# KiCad board Logic_tabor.kicad_pcb (continued)
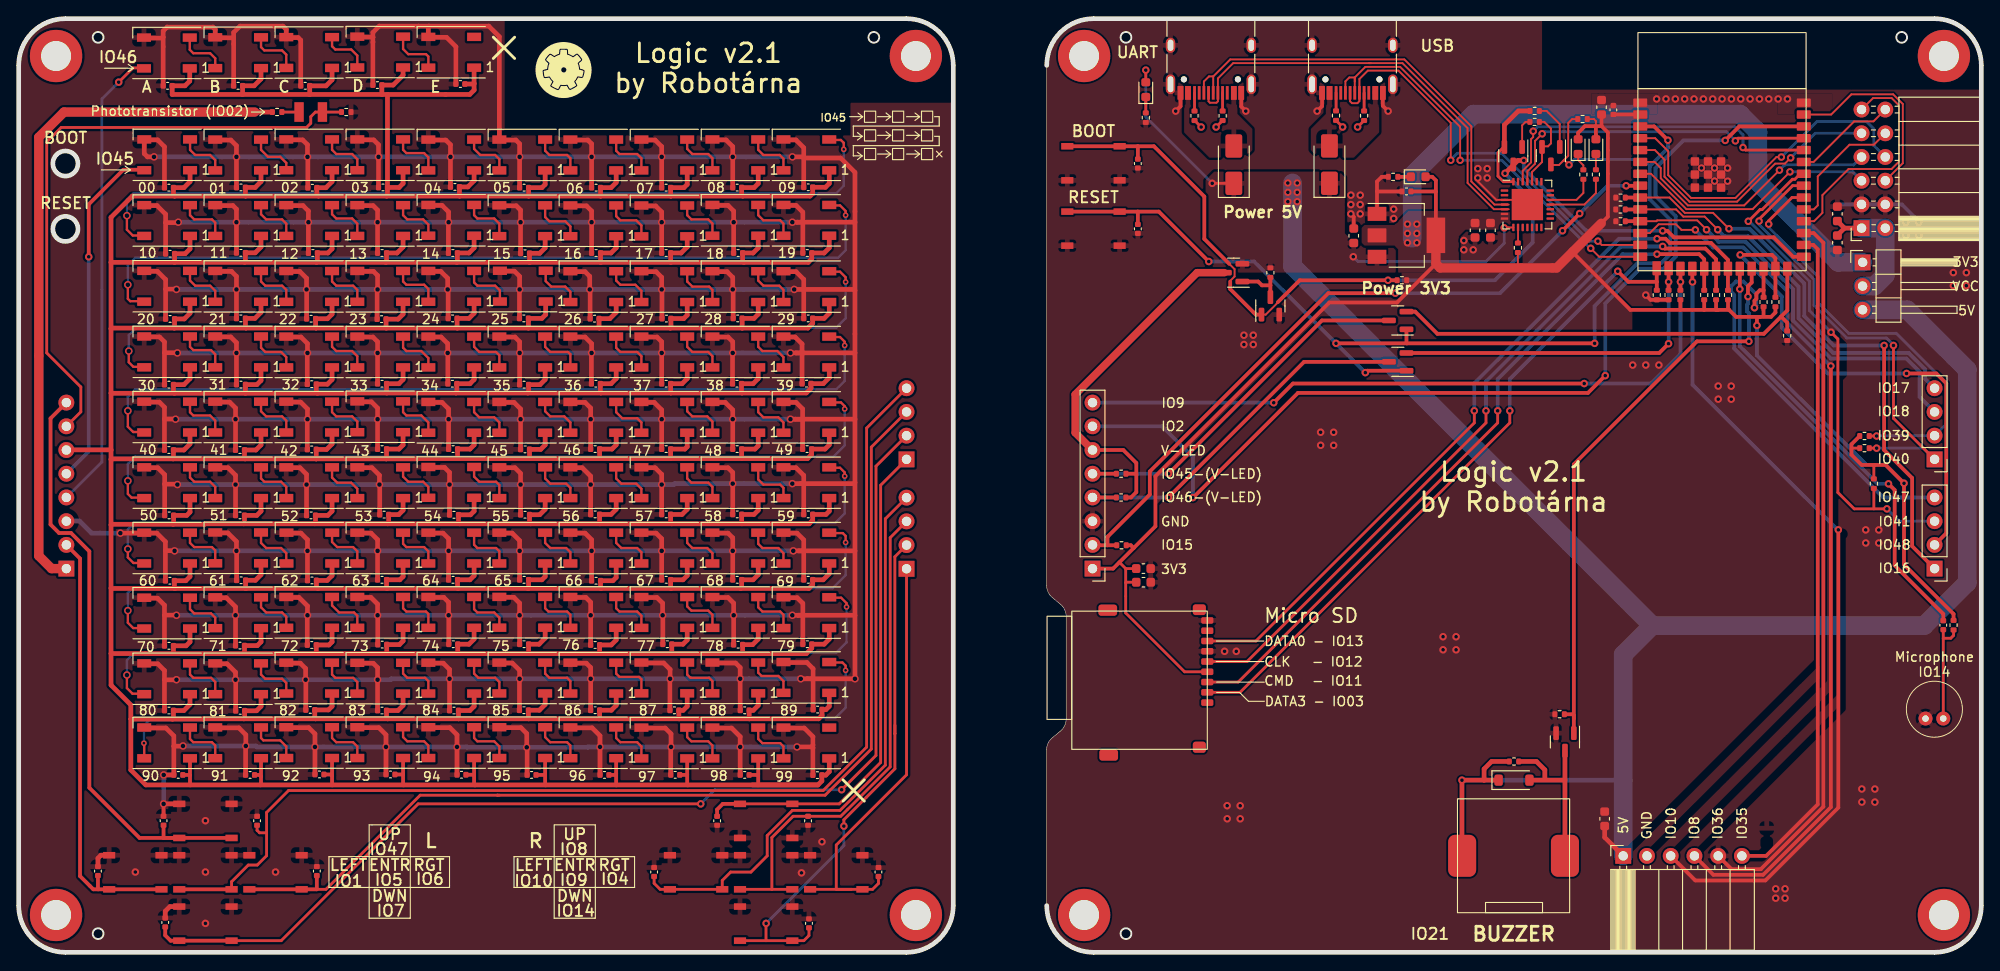
[diagram p0: board, top side]
## Library data of the parts (continued)
Q4 Q6-Q8 = -: Description: N-MOSFET transistor, gate/source/drain; JLCPCB_CORRECTION: 0;0;180; LCSC: C8545
Q5 = -: Description: P-MOSFET transistor, gate/source/drain; JLCPCB_CORRECTION: 0;0;180; LCSC: C15127
R1-R4 R6-R14 R18 R22-R36 = -: Description: Resistor; JLCPCB_CORRECTION: 0;0;0; LCSC: C25744
R5 = -: Description: Resistor; JLCPCB_CORRECTION: 0;0;0; LCSC: C25768
R15 R19 = -: Description: Resistor; JLCPCB_CORRECTION: 0;0;0; LCSC: C25741
R16 R17 R20 R21 = -: Description: Resistor; JLCPCB_CORRECTION: 0;0;0; LCSC: C25905
R37 = -: Description: Resistor; JLCPCB_CORRECTION: 0;0;0; LCSC: C25879
U1 = -: Description: 1A Low Dropout regulator, positive, 3.3V fixed output, SOT-223; JLCPCB_CORRECTION: 0;0;180; LCSC: C6186
U2 = -: JLCPCB_CORRECTION: 0;0;270; LCSC: C6568
U3 = -: JLCPCB_CORRECTION: 0;9;0; LCSC: C2913199

## Footprints (pads in the part's own frame, mm; a bottom-side part is the same pattern mirrored in y, then rotated)
C_0402_1005Metric
  rrect 0.56x0.62 smd: 1(-0.48,0) 2(0.48,0)
C_0603_1608Metric
  rrect 0.9x0.95 smd: 1(-0.775,0) 2(0.775,0)
D_SMA
  rrect 2.5x1.8 smd: 1(-2,0) 2(2,0)
D_SOD-123
  rrect 0.9x1.2 smd: 1(-1.65,0) 2(1.65,0)
ESP32-S3-WROOM
  rrect 1.5x0.9 smd: 1(-8.75,0) 2(-8.75,-1.27) 3(-8.75,-2.54) 4(-8.75,-3.81) 5(-8.75,-5.08) 6(-8.75,-6.35) 7(-8.75,-7.62) 8(-8.75,-8.89) 9(-8.75,-10.16) 10(-8.75,-11.43) 11(-8.75,-12.7) 12(-8.75,-13.97) 13(-8.75,-15.24) 14(-8.75,-16.51) 27(8.75,-16.51) 28(8.75,-15.24) 29(8.75,-13.97) 30(8.75,-12.7) 31(8.75,-11.43) 32(8.75,-10.16) 33(8.75,-8.89) 34(8.75,-7.62) 35(8.75,-6.35) 36(8.75,-5.08) 37(8.75,-3.81) 38(8.75,-2.54) 39(8.75,-1.27) 40(8.75,0)
  rrect 0.9x1.5 smd: 15(-6.985,-17.74) 16(-5.715,-17.74) 17(-4.445,-17.78) 18(-3.175,-17.78) 19(-1.905,-17.78) 20(-0.635,-17.78) 21(0.635,-17.78) 22(1.905,-17.78) 23(3.175,-17.78) 24(4.445,-17.78) 25(5.715,-17.78) 26(6.985,-17.78)
  rrect 0.9x0.9 smd: 41(-2.9,-6.3) 41(-2.9,-7.7) 41(-2.9,-9.1) 41(-1.5,-6.3) 41(-1.5,-7.7) 41(-1.5,-9.1) 41(-0.1,-6.3) 41(-0.1,-7.7) 41(-0.1,-9.1)
LED_0603_1608Metric
  rrect 0.875x0.95 smd: 1(-0.787,0) 2(0.787,0)
LED_WS2812B_PLCC4_5.0x5.0mm_P3.2mm
  rect 1.5x0.9 smd: 1(-2.45,1.65) 2(-2.45,-1.65) 3(2.45,-1.65) 4(2.45,1.65)
MIC-TH
  round 1.5 hole 0.7: 1(0.95,1) 2(-0.95,1)
MountingHole_3.2mm_M3_DIN965_Pad
  round 5.6 hole 3.2: 1(0,0)
PinHeader_1x03_P2.54mm_Horizontal
  rect 1.7x1.7 hole 1: 1(0,0)
  oval 1.7x1.7 hole 1: 2(0,-2.54) 3(0,-5.08)
PinHeader_1x04_P2.54mm_Vertical
  rect 1.7x1.7 hole 1: 1(0,0)
  oval 1.7x1.7 hole 1: 2(0,-2.54) 3(0,-5.08) 4(0,-7.62)
PinHeader_1x08_P2.54mm_Vertical
  rect 1.7x1.7 hole 1: 1(0,0)
  oval 1.7x1.7 hole 1: 2(0,-2.54) 3(0,-5.08) 4(0,-7.62) 5(0,-10.16) 6(0,-12.7) 7(0,-15.24) 8(0,-17.78)
PinSocket_1x04_P2.54mm_Vertical
  rect 1.7x1.7 hole 1: 1(0,0)
  oval 1.7x1.7 hole 1: 2(0,-2.54) 3(0,-5.08) 4(0,-7.62)
PinSocket_1x06_P2.54mm_Horizontal
  rect 1.7x1.7 hole 1: 1(0,0)
  oval 1.7x1.7 hole 1: 2(0,-2.54) 3(0,-5.08) 4(0,-7.62) 5(0,-10.16) 6(0,-12.7)
PinSocket_1x08_P2.54mm_Vertical
  rect 1.7x1.7 hole 1: 1(0,0)
  oval 1.7x1.7 hole 1: 2(0,-2.54) 3(0,-5.08) 4(0,-7.62) 5(0,-10.16) 6(0,-12.7) 7(0,-15.24) 8(0,-17.78)
PinSocket_2x06_P2.54mm_Horizontal
  rect 1.7x1.7 hole 1: 1(0,0)
  oval 1.7x1.7 hole 1: 2(-2.54,0) 3(0,-2.54) 4(-2.54,-2.54) 5(0,-5.08) 6(-2.54,-5.08) 7(0,-7.62) 8(-2.54,-7.62) 9(0,-10.16) 10(-2.54,-10.16) 11(0,-12.7) 12(-2.54,-12.7)
PKLCS1212E-(RH-Logic_piezzo)
  rrect 3x4.5 smd: 1(-5.5,0) 2(5.5,0)
QFN-28-1EP_5x5mm_P0.5mm_EP3.35x3.35mm
  rrect 0.9x0.9 smd: (-1.12,1.12) (-1.12,0) (-1.12,-1.12) (0,1.12) (0,0) (0,-1.12) (1.12,1.12) (1.12,0) (1.12,-1.12)
  rrect 0.8x0.25 smd: 1(-2.45,1.5) 2(-2.45,1) 3(-2.45,0.5) 4(-2.45,0) 5(-2.45,-0.5) 6(-2.45,-1) 7(-2.45,-1.5) 15(2.45,-1.5) 16(2.45,-1) 17(2.45,-0.5) 18(2.45,0) 19(2.45,0.5) 20(2.45,1) 21(2.45,1.5)
  rrect 0.25x0.8 smd: 8(-1.5,-2.45) 9(-1,-2.45) 10(-0.5,-2.45) 11(0,-2.45) 12(0.5,-2.45) 13(1,-2.45) 14(1.5,-2.45) 22(1.5,2.45) 23(1,2.45) 24(0.5,2.45) 25(0,2.45) 26(-0.5,2.45) 27(-1,2.45) 28(-1.5,2.45)
  rect 3.35x3.35 smd: 29(0,0)
R_0402_1005Metric
  rrect 0.54x0.64 smd: 1(-0.51,0) 2(0.51,0)
SMD,3.5x2.8x1.9mm
  rect 1x2.1 smd: 1(-1.25,0) 2(1.25,0)
SOT-23
  rrect 1.475x0.6 smd: 1(-0.938,0.95) 2(-0.938,-0.95) 3(0.938,0)
SOT-223-3_TabPin2
  rect 2x1.5 smd: 1(-3.15,2.3) 2(-3.15,0) 3(-3.15,-2.3)
  rect 2x3.8 smd: 2(3.15,0)
Tactile_switch
  rect 1.3x0.7 smd: 1(-2.8,1.85) 1(2.8,1.85) 2(-2.8,-1.8) 2(2.8,-1.8)
TF-01A
  rrect 0.7x1.3 smd: 1(2.4,7.25) 2(1.3,7.25) 3(0.2,7.25) 4(-0.9,7.25) 5(-2,7.25) 6(-3.1,7.25) 7(-4.2,7.25) 8(-5.3,7.25) 9(-6.4,7.25)
  rrect 1.15x1.4 smd: 10(-7.55,6.4)
  rrect 1.2x2 smd: 10(-7.5,-3.4) 10(8.02,-3.3)
  rrect 1.2x1.4 smd: 10(7.18,6.4)
USB_C_Receptacle_HRO_TYPE-C-31-M-12
  round 0.65 hole 0.65 unplated: (-2.89,2.6) (2.89,2.6)
  rect 0.6x1.45 smd: A1(-3.25,4.045) A4(-2.45,4.045) A9(2.45,4.045) A12(3.25,4.045) B1(3.25,4.045) B4(2.45,4.045) B9(-2.45,4.045) B12(-3.25,4.045)
  rect 0.3x1.45 smd: A5(-1.25,4.045) A6(-0.25,4.045) A7(0.25,4.045) A8(1.25,4.045) B5(1.75,4.045) B6(0.75,4.045) B7(-0.75,4.045) B8(-1.75,4.045)
  oval 1x2.1 hole 0.6x1.7: S1(-4.32,3.13) S1(4.32,3.13)
  oval 1x1.6 hole 0.6x1.2: S1(-4.32,-1.05) S1(4.32,-1.05)

## Nets
/elektronika.sch/3V3: C22.1 C23.1 C24.2 C25.2 C27.2 C28.2 C128.1 D2.2 D9.2 D10.2 J2.4 J7.1 J13.1 R1.1 R4.1 R6.1 R7.1 R8.1 R9.1 R10.1 R12.1 R14.1 R22.1 R28.1 R31.1 R32.1 R34.1 R35.1 R36.1 R37.2 U1.2 U2.6 U2.7 U3.2
/elektronika.sch/5V: BZ1.1 C4.1 C127.1 D1.2 D7.1 D8.1 D114.1 J3.1 J13.3 Q5.2 R15.1 R33.2 U1.3 U2.8
/elektronika.sch/GND: BOOT1.2 C1.2 C4.2 C5.2 C22.2 C23.2 C24.1 C25.1 C26.2 C27.1 C28.1 C29.2 C127.2 C128.2 J1.3 J1.4 J2.6 J2.9 J3.2 J7.3 J8.A1 J8.A12 J8.B1 J8.B12 J8.S1 J11.A1 J11.A12 J11.B1 J11.B12 J11.S1 MK1.1 Q4.2 Q6.2 R2.1 R3.1 R16.1 R17.1 R19.1 R20.1 R21.1 R27.2 R29.2 R30.2 RESET1.2 U1.1 U2.3 U2.29 U3.1 U3.40 U3.41
/ovladaci_prvky.sch/3V3: J4.1 R5.1
/ovladaci_prvky.sch/GND: C2.2 C3.2 C6.2 C7.2 C8.2 C9.2 C10.2 C11.1 C12.1 C13.1 C14.1 C15.2 C16.2 C17.1 C18.1 C19.1 C20.1 C21.2 C30.1 C31.2 C32.2 C33.2 C34.2 C35.2 C36.2 C37.2 C38.2 C39.2 C40.2 C41.2 C42.2 C43.2 C44.2 C45.2 C46.2 C47.2 C48.2 C49.2 C50.2 C51.2 C52.2 C53.2 C54.2 C55.2 C56.2 C57.2 C58.2 C59.2 C60.2 C61.2 C62.2 C63.2 C64.2 C65.2 C66.2 C67.2 C68.2 C69.2 C70.2 C71.2 C72.2 C73.2 C74.2 C75.2 C76.2 C77.2 C78.2 C79.2 C80.2 C81.2 C82.2 C83.2 C84.2 C85.2 C86.2 C87.2 C88.2 C89.2 C90.2 C91.2 C92.2 C93.2 C94.2 C95.2 C96.2 C97.2 C98.2 C99.2 C100.2 C101.2 C102.2 C103.2 C104.2 C105.2 C106.2 C107.2 C108.2 C109.2 C110.2 C111.2 C112.2 C113.2 C114.2 C115.2 C116.2 C117.2 C118.2 C119.2 C120.2 C121.2 C122.2 C123.2 C124.2 C125.2 C126.1 D3.3 D4.3 D5.3 D6.3 D12.3 D13.3 D14.3 D15.3 D16.3 D17.3 D18.3 D19.3 D20.3 D21.3 D22.3 D23.3 D24.3 D25.3 D26.3 D27.3 D28.3 D29.3 D30.3 D31.3 D32.3 D33.3 D34.3 D35.3 D36.3 D37.3 D38.3 D39.3 D40.3 D41.3 D42.3 D43.3 D44.3 D45.3 D46.3 D47.3 D48.3 D49.3 D50.3 D51.3 D52.3 D53.3 D54.3 D55.3 D56.3 D57.3 D58.3 D59.3 D60.3 D61.3 D62.3 D63.3 D64.3 D65.3 D66.3 D67.3 D68.3 D69.3 D70.3 D71.3 D72.3 D73.3 D74.3 D75.3 D76.3 D77.3 D78.3 D79.3 D80.3 D81.3 D82.3 D83.3 D84.3 D85.3 D86.3 D87.3 D88.3 D89.3 D90.3 D91.3 D93.3 D94.3 D95.3 D96.3 D97.3 D98.3 D99.3 D100.3 D101.3 D102.3 D103.3 D104.3 D105.3 D106.3 D107.3 D108.3 D109.3 D110.3 D111.3 D112.3 D113.3 J4.3 R13.2 SW2.2 SW3.2 SW4.2 SW5.2 SW7.2 SW8.2 SW9.2 SW10.2 SW11.2 SW12.2
/elektronika.sch/DATA_HERNI_LED: J7.5 Q8.3 R18.2
/elektronika.sch/DATA_HERNI_LED_LS: Q8.2 R29.1 U3.26
/elektronika.sch/DATA_ZADANI_LED: J7.4 Q7.3 R11.2
/elektronika.sch/DATA_ZADANI_LED_LS: Q7.2 R27.1 U3.16
/elektronika.sch/EN: C26.1 Q2.3 Q7.1 Q8.1 R31.2 RESET1.1 U3.3
/elektronika.sch/ESP+programing/D+: J8.A6 J8.B6 U3.14
/elektronika.sch/ESP+programing/D+_UART: J11.A6 J11.B6 U2.4
/elektronika.sch/ESP+programing/D-: J8.A7 J8.B7 U3.13
/elektronika.sch/ESP+programing/D-_UART: J11.A7 J11.B7 U2.5
/elektronika.sch/ESP+programing/IO03-PD: J2.2 R30.1 U3.15
/elektronika.sch/ESP+programing/IO11: J2.3 R36.2 U3.19
/elektronika.sch/ESP+programing/IO12: J2.5 R35.2 U3.20
/elektronika.sch/ESP+programing/IO13: J2.7 R34.2 U3.21
/elektronika.sch/ESP+programing/IO14: C129.1 U3.22
/elektronika.sch/ESP+programing/RX_ESP: U2.26 U3.36
/elektronika.sch/ESP+programing/TX_ESP: U2.25 U3.37
/elektronika.sch/IO1: J1.6 U3.39
/elektronika.sch/IO4: J1.8 U3.4
/elektronika.sch/IO5: J1.9 U3.5
/elektronika.sch/IO6: J1.7 U3.6
/elektronika.sch/IO7: J1.5 U3.7
/elektronika.sch/IO8: J3.4 U3.12
/elektronika.sch/IO10: J3.3 U3.18
/elektronika.sch/IO35: J3.6 U3.28
/elektronika.sch/IO36: J3.5 U3.29
/elektronika.sch/IO37: J1.11 U3.30
/elektronika.sch/IO38: J1.10 U3.31
/elektronika.sch/IO42: J1.12 U3.35
/elektronika.sch/PIEZO: Q6.1 R19.2 U3.23
/elektronika.sch/PMOD-POWER: C1.1 C5.1 J1.1 J1.2 J13.2
/elektronika.sch/SENZOR_SVETLA: J7.7 U3.38
/elektronika.sch/SW_2: J10.4 R6.2 U3.10
/elektronika.sch/SW_3: J10.3 R7.2 U3.11
/elektronika.sch/SW_4: J9.4 R32.2 U3.24
/elektronika.sch/SW_5: J9.1 R4.2 U3.9
/elektronika.sch/SW_7: J7.2 R1.2 U3.8
/elektronika.sch/SW_8: J10.2 R8.2 U3.32
/elektronika.sch/SW_9: J9.2 R14.2 U3.25
/elektronika.sch/SW_10: J9.3 R12.2 U3.34
/elektronika.sch/SW_11: J10.1 R9.2 U3.33
/elektronika.sch/SW_12: J7.8 R10.2 U3.17
/elektronika.sch/V_LED: J7.6 Q5.3 R11.1 R18.1
/elektronika.sch/ZAPINANI_1_CAST_LED: BOOT1.1 C29.1 Q1.3 Q4.1 R28.2 U3.27
/ovladaci_prvky.sch/DATA_HERNI_LED: D12.4 J4.5
/ovladaci_prvky.sch/DATA_ZADANI_LED: D3.4 J4.4
/ovladaci_prvky.sch/herni_pole_LED.sch/1.sch/DATA_OUT: D16.2 D17.4
/ovladaci_prvky.sch/herni_pole_LED.sch/2.sch/DATA_OUT: D21.2 D22.4
/ovladaci_prvky.sch/herni_pole_LED.sch/3.sch/DATA_OUT: D26.2 D27.4
/ovladaci_prvky.sch/herni_pole_LED.sch/4.sch/DATA_OUT: D31.2 D32.4
/ovladaci_prvky.sch/herni_pole_LED.sch/5.sch/DATA_OUT: D36.2 D37.4
/ovladaci_prvky.sch/herni_pole_LED.sch/6.sch/DATA_OUT: D41.2 D42.4
/ovladaci_prvky.sch/herni_pole_LED.sch/7.sch/DATA_OUT: D46.2 D47.4
/ovladaci_prvky.sch/herni_pole_LED.sch/8.sch/DATA_OUT: D51.2 D52.4
/ovladaci_prvky.sch/herni_pole_LED.sch/10.sch/DATA_IN: D56.2 D57.4
/ovladaci_prvky.sch/herni_pole_LED.sch/10.sch/DATA_OUT: D61.2 D62.4
/ovladaci_prvky.sch/herni_pole_LED.sch/11.sch/DATA_OUT: D66.2 D67.4
/ovladaci_prvky.sch/herni_pole_LED.sch/12.sch/DATA_OUT: D71.2 D72.4
/ovladaci_prvky.sch/herni_pole_LED.sch/13.sch/DATA_OUT: D76.2 D77.4
/ovladaci_prvky.sch/herni_pole_LED.sch/14.sch/DATA_OUT: D81.2 D82.4
/ovladaci_prvky.sch/herni_pole_LED.sch/15.sch/DATA_OUT: D86.2 D87.4
/ovladaci_prvky.sch/herni_pole_LED.sch/16.sch/DATA_OUT: D91.2 D93.4
/ovladaci_prvky.sch/herni_pole_LED.sch/17.sch/DATA_OUT: D97.2 D98.4
/ovladaci_prvky.sch/herni_pole_LED.sch/18.sch/DATA_OUT: D102.2 D103.4
/ovladaci_prvky.sch/herni_pole_LED.sch/19.sch/DATA_OUT: D107.2 D108.4
/ovladaci_prvky.sch/herni_pole_LED.sch/20.sch/DATA_OUT: D112.2
/ovladaci_prvky.sch/SENZOR_SVETLA: J4.7 Q3.2 R13.1
/ovladaci_prvky.sch/SW_2: C11.2 J6.4 SW2.1
/ovladaci_prvky.sch/SW_3: C12.2 J6.3 SW3.1
/ovladaci_prvky.sch/SW_4: C13.2 J5.4 SW4.1
/ovladaci_prvky.sch/SW_5: C14.2 J5.1 SW5.1
/ovladaci_prvky.sch/SW_7: C126.2 J4.2 SW7.1
/ovladaci_prvky.sch/SW_8: C17.2 J6.2 SW8.1
/ovladaci_prvky.sch/SW_9: C18.2 J5.2 SW9.1
/ovladaci_prvky.sch/SW_10: C19.2 J5.3 SW10.1
/ovladaci_prvky.sch/SW_11: C20.2 J6.1 SW11.1
/ovladaci_prvky.sch/SW_12: C30.2 J4.8 SW12.1
/ovladaci_prvky.sch/V_LED_1: C2.1 C3.1 C6.1 C7.1 C8.1 C9.1 C10.1 C15.1 C16.1 C21.1 C31.1 C32.1 C33.1 C34.1 C35.1 C36.1 C37.1 C38.1 C39.1 C40.1 C41.1 C42.1 C43.1 C44.1 C45.1 C46.1 C47.1 C48.1 C49.1 C50.1 C51.1 C52.1 C53.1 C54.1 C55.1 C56.1 C57.1 C58.1 C59.1 C60.1 C61.1 C62.1 C63.1 C64.1 C65.1 C66.1 C67.1 C68.1 C69.1 C70.1 C71.1 C72.1 C73.1 C74.1 C75.1 C76.1 C77.1 C78.1 C79.1 C80.1 C81.1 C82.1 C83.1 C84.1 C85.1 C86.1 C87.1 C88.1 C89.1 C90.1 C91.1 C92.1 C93.1 C94.1 C95.1 C96.1 C97.1 C98.1 C99.1 C100.1 C101.1 C102.1 C103.1 C104.1 C105.1 C106.1 C107.1 C108.1 C109.1 C110.1 C111.1 C112.1 C113.1 C114.1 C115.1 C116.1 C117.1 C118.1 C119.1 C120.1 C121.1 C122.1 C123.1 C124.1 C125.1 D3.1 D4.1 D5.1 D6.1 D12.1 D13.1 D14.1 D15.1 D16.1 D17.1 D18.1 D19.1 D20.1 D21.1 D22.1 D23.1 D24.1 D25.1 D26.1 D27.1 D28.1 D29.1 D30.1 D31.1 D32.1 D33.1 D34.1 D35.1 D36.1 D37.1 D38.1 D39.1 D40.1 D41.1 D42.1 D43.1 D44.1 D45.1 D46.1 D47.1 D48.1 D49.1 D50.1 D51.1 D52.1 D53.1 D54.1 D55.1 D56.1 D57.1 D58.1 D59.1 D60.1 D61.1 D62.1 D63.1 D64.1 D65.1 D66.1 D67.1 D68.1 D69.1 D70.1 D71.1 D72.1 D73.1 D74.1 D75.1 D76.1 D77.1 D78.1 D79.1 D80.1 D81.1 D82.1 D83.1 D84.1 D85.1 D86.1 D87.1 D88.1 D89.1 D90.1 D91.1 D93.1 D94.1 D95.1 D96.1 D97.1 D98.1 D99.1 D100.1 D101.1 D102.1 D103.1 D104.1 D105.1 D106.1 D107.1 D108.1 D109.1 D110.1 D111.1 D112.1 D113.1 J4.6
Net-(BZ1-+): BZ1.2 D114.2 Q6.3 R33.1
Net-(D1-K): D1.1 R2.2
Net-(D2-K): D2.1 R3.2
Net-(D3-DOUT): D3.2 D4.4
Net-(D4-DOUT): D4.2 D5.4
Net-(D5-DOUT): D5.2 D6.4
Net-(D7-A): D7.2 J8.A4 J8.A9 J8.B4 J8.B9
Net-(D8-A): D8.2 J11.A4 J11.A9 J11.B4 J11.B9
Net-(D9-K): D9.1 R24.1
Net-(D10-K): D10.1 R23.1
Net-(D12-DOUT): D12.2 D13.4
Net-(D13-DOUT): D13.2 D14.4
Net-(D14-DOUT): D14.2 D15.4
Net-(D15-DOUT): D15.2 D16.4
Net-(D17-DOUT): D17.2 D18.4
Net-(D18-DOUT): D18.2 D19.4
Net-(D19-DOUT): D19.2 D20.4
Net-(D20-DOUT): D20.2 D21.4
Net-(D22-DOUT): D22.2 D23.4
Net-(D23-DOUT): D23.2 D24.4
Net-(D24-DOUT): D24.2 D25.4
Net-(D25-DOUT): D25.2 D26.4
Net-(D27-DOUT): D27.2 D28.4
Net-(D28-DOUT): D28.2 D29.4
Net-(D29-DOUT): D29.2 D30.4
Net-(D30-DOUT): D30.2 D31.4
Net-(D32-DOUT): D32.2 D33.4
Net-(D33-DOUT): D33.2 D34.4
Net-(D34-DOUT): D34.2 D35.4
Net-(D35-DOUT): D35.2 D36.4
Net-(D37-DOUT): D37.2 D38.4
Net-(D38-DOUT): D38.2 D39.4
Net-(D39-DOUT): D39.2 D40.4
Net-(D40-DOUT): D40.2 D41.4
Net-(D42-DOUT): D42.2 D43.4
Net-(D43-DOUT): D43.2 D44.4
Net-(D44-DOUT): D44.2 D45.4
Net-(D45-DOUT): D45.2 D46.4
Net-(D47-DOUT): D47.2 D48.4
Net-(D48-DOUT): D48.2 D49.4
Net-(D49-DOUT): D49.2 D50.4
Net-(D50-DOUT): D50.2 D51.4
Net-(D52-DOUT): D52.2 D53.4
Net-(D53-DOUT): D53.2 D54.4
Net-(D54-DOUT): D54.2 D55.4
Net-(D55-DOUT): D55.2 D56.4
Net-(D57-DOUT): D57.2 D58.4
Net-(D58-DOUT): D58.2 D59.4
Net-(D59-DOUT): D59.2 D60.4
Net-(D60-DOUT): D60.2 D61.4
Net-(D62-DOUT): D62.2 D63.4
Net-(D63-DOUT): D63.2 D64.4
Net-(D64-DOUT): D64.2 D65.4
Net-(D65-DOUT): D65.2 D66.4
Net-(D67-DOUT): D67.2 D68.4
Net-(D68-DOUT): D68.2 D69.4
Net-(D69-DOUT): D69.2 D70.4
Net-(D70-DOUT): D70.2 D71.4
Net-(D72-DOUT): D72.2 D73.4
Net-(D73-DOUT): D73.2 D74.4
Net-(D74-DOUT): D74.2 D75.4
Net-(D75-DOUT): D75.2 D76.4
Net-(D77-DOUT): D77.2 D78.4
Net-(D78-DOUT): D78.2 D79.4
Net-(D79-DOUT): D79.2 D80.4
Net-(D80-DOUT): D80.2 D81.4
Net-(D82-DOUT): D82.2 D83.4
Net-(D83-DOUT): D83.2 D84.4
Net-(D84-DOUT): D84.2 D85.4
Net-(D85-DOUT): D85.2 D86.4
Net-(D87-DOUT): D87.2 D88.4
Net-(D88-DOUT): D88.2 D89.4
Net-(D89-DOUT): D89.2 D90.4
Net-(D90-DOUT): D90.2 D91.4
Net-(D93-DOUT): D93.2 D94.4
Net-(D94-DOUT): D94.2 D95.4
Net-(D95-DOUT): D95.2 D96.4
Net-(D96-DOUT): D96.2 D97.4
Net-(D98-DOUT): D98.2 D99.4
Net-(D100-DIN): D99.2 D100.4
Net-(D100-DOUT): D100.2 D101.4
Net-(D101-DOUT): D101.2 D102.4
Net-(D103-DOUT): D103.2 D104.4
Net-(D104-DOUT): D104.2 D105.4
Net-(D105-DOUT): D105.2 D106.4
Net-(D106-DOUT): D106.2 D107.4
Net-(D108-DOUT): D108.2 D109.4
Net-(D109-DOUT): D109.2 D110.4
Net-(D110-DOUT): D110.2 D111.4
Net-(D111-DOUT): D111.2 D112.4
Net-(D113-DIN): D6.2 D113.4
Net-(J8-CC1): J8.A5 R16.2
Net-(J8-CC2): J8.B5 R17.2
Net-(J11-CC1): J11.A5 R20.2
Net-(J11-CC2): J11.B5 R21.2
Net-(MK1-+): C129.2 MK1.2 R37.1
Net-(Q1-B): Q1.1 R25.1
Net-(Q1-E): Q1.2 R26.2 U2.28
Net-(Q2-B): Q2.1 R26.1
Net-(Q2-E): Q2.2 R25.2 U2.24
Net-(Q3-C): Q3.1 R5.2
Net-(Q4-D): Q4.3 Q5.1 R15.2
Net-(U2-~{RSTb}): R22.2 U2.9
Net-(U2-~{RXT}/GPIO.1): R24.2 U2.18
Net-(U2-~{TXT}/GPIO.0): R23.2 U2.19

Pads without a net: D113 2; H1 1; H2 1; H3 1; H4 1; H5 1; H6 1; H7 1; H8 1; J2 1 8 10; J8 A8 B8; J11 A8 B8; U2 1 2 10 11 12 13 14 15 16 17 20 21 22 23 27

## Via types
v1: diameter 0.8, hole 0.5, Top to Bottom, 112 vias
v2: diameter 0.6, hole 0.3, Top to Bottom, 10 vias
v3: diameter 0.8, hole 0.4, Top to Bottom, 188 vias

## Routing (per net, layer and track width the routed paths; a pad name or vN(x,y) marks a point on that pad's centre or on a via; arc(x,y) is an arc through that point)
/elektronika.sch/3V3: length 282.6
  Top w0.2: 168.76,88.46 168.76,89.04 168.55,89.25 R31.1 ; 160.87,73.4 160.76,73.3 ; R22.1 160.41,73.4
  Top w0.3: 118.45,39.6 118.45,41.1 ; 118.45,39.6 118.49,39.64 C22.1 ; 118.45,39.6 118.45,36.35 124.75,30.05 J2.4 ; 118.45,41.1 C23.1 ; 118.45,41.1 117.78,41.78 ; R9.1 196.2,54 196.1,53.9 ; 186.7,68.88 186.63,68.81 ; R12.1 198.5,52.1 198.6,52.2
  Top w0.4: J7.1 117.1,41.1 119.3,43.3 ; D2.2 151.25,83.06 151.64,82.67 151.64,81.47 ; 119.3,43.3 121.63,45.63 121.63,50.99 140.24,69.6 147.48,69.6 151.64,73.76 ; 119.3,43.3 119,43.6 R1.1 ; 177.81,69.89 177.81,68.84 177.77,68.81 ; R8.1 196.1,54.41 196.1,53.3 197.2,52.2 199.77,52.2 v3(201.73,50.24) 201.73,41.54 207.03,36.24 R37.2 ; U1.2 151.64,81.47 ; 151.64,81.47 151.61,81.5 C25.2 ; D9.2 168.76,88.46 168.73,88.49 ; R36.1 180.35,68.82 180.34,68.81 ; 169.37,88.49 170.04,87.81 170.04,87.2 ; 169.37,88.49 168.73,88.49 ; 169.37,88.49 169.37,88.5 C27.2 ; 170.04,85.92 170.04,78.8 169.34,78.08 ; D10.2 166.86,87.77 167.58,88.49 168.73,88.49 ; 180.34,68.81 177.77,68.81 ; 180.34,68.81 181.83,68.81 ; R34.1 182.9,68.92 183.01,68.81 ; C28.2 173.5,89.74 U3.2 ; 186.33,68.06 186.03,68.06 185.99,68.02 v3(185.99,67.14) ; 186.33,68.06 187.5,68.06 187.97,68.53 R14.1 ; 186.33,68.06 183.76,68.06 183.01,68.81 ; 183.01,68.81 181.83,68.81 ; 181.83,68.81 181.63,68.81 181.62,68.82 R35.1 ; 177.77,68.81 172.44,68.81 166.3,74.96 166.3,75.05 ; 170.04,85.93 170.04,87.19 ; R32.1 186.7,68.13
  Top w1: U1.2 151.64,73.76 152.1,73.3 164.55,73.3 169.34,78.08
  Bottom w0.4: v3(201.73,50.24) 199.77,52.2 197.73,52.2 185.99,63.94 v3(185.99,67.14)
  Bottom w2: J13.1 194.7,73.9 186.1,82.5 186.1,87.87 184.2,89.77 155.67,89.77 149.1,83.2 149.1,76.5
  vias: v3(148.6,78) v3(148.6,77) v3(148.6,76) v3(149.6,78) v3(149.6,77) v3(149.6,76)
/elektronika.sch/5V: length 237.7
  Top w0.2: U2.8 158.99,77.64 ; 159.44,77.64 159.4,77.6
  Top w0.3: v3(120.6,94.49) D1.2 ; D8.1 v3(127.71,82.37)
  Top w0.5: 156.8,18.44 156.8,19.64 157.6,20.44 R33.2 ; 156.8,18.44 D114.1 ; 156.8,18.44 v3(154.43,18.44) 154.43,10.36 BZ1.1 ; C4.1 169.7,12.31 J3.1
  Bottom w0.3: v3(158.95,77.6) 158.95,75.95 157,74 143.3,74 v3(142.8,74.5) ; v3(127.71,82.37) 120.6,89.47 v3(120.6,94.49)
  Bottom w0.5: v3(154.43,18.44) 171.65,18.44 171.69,18.4 ; 172.87,36.88 172.87,36.93
  Bottom w2: 136.3,82.4 136.3,73.5 174.8,35 ; 174.8,35 171.69,31.89 J3.1 ; 174.8,35 203.9,35 208.5,39.6 208.5,62.4 202.08,68.82 J13.3
  vias: v3(135.8,82.4) v3(135.8,81.4) v3(135.8,80.4) v3(136.8,82.4) v3(136.8,81.4) v3(136.8,80.4)
/elektronika.sch/GND: length 41.2
  Top w0.2: v3(156.13,82.94) 156.13,82.57 158.11,80.59 159.43,80.59 ; 161.88,80.09 161.38,80.59 ; 160.93,80.59 U2.3
  Top w0.3: R20.1 v3(128.12,88.4) ; 140.96,89.1 v3(141.66,88.4) ; R16.1 v3(143.26,88.4) ; 125.81,89.1 v3(126.52,88.4)
  Top w0.4: v3(138.93,90.1) 139.46,90.63 J8.A12 ; 145.34,81.5 145.34,82.56 145.84,83.06 R3.1 ; 145.34,81.5 C25.1 ; 145.34,81.5 U1.1 ; J11.A1 130.81,90.59 v3(131.3,90.1) ; J11.A12 124.31,90.62 v3(123.8,90.1) ; v3(174.1,70.39) 174.6,69.89 R30.2 R27.2 ; v3(142.54,79.09) 142.85,78.78 C127.2 ; v3(146.53,90.1) 145.96,90.67 J8.A1
  Bottom w0.4: v3(203.3,78.2) 203.3,78.3 201.5,80.11 J1.4 J1.3 194.6,80.11 194.6,80.1
  vias: v3(129.03,32.24) v3(129.31,15.71) v3(129.31,14.31) v3(130.28,32.24) v3(130.7,15.7) v3(130.7,14.3) v3(131.1,66.1) v3(131.1,65.1) v3(132.1,66.1) v3(132.1,65.1) v3(139.31,55.7) v3(139.31,54.31) v3(140.7,55.7) v3(140.7,54.3) v3(142.54,81.1) v3(142.54,80.09) v3(143.54,81.1) v3(143.54,80.09) v3(143.54,79.09) v3(147.12,79.6) v3(147.12,78.6) v3(152.41,33.81) v3(152.41,32.41) v3(153.8,33.8) v3(153.8,32.4) v3(154.63,76.24) v3(154.63,75.24) v3(155.63,75.24) v3(156.13,83.94) v3(157.13,83.94) v3(157.13,82.94) v3(172.7,62.9) v3(174.1,62.9) v3(175.26,91.4) v3(175.5,62.9) v3(176.26,91.4) v3(177.26,91.4) v3(178.26,91.4) v3(179.26,91.4) v3(180.06,84) v3(180.26,91.4) v3(181.26,91.4) v3(181.46,84) v3(181.46,82.6) v3(181.84,60.65) v3(181.85,59.25) v3(182.26,91.4) v3(182.85,84) v3(182.85,82.6) v3(183.24,60.64) v3(183.24,59.25) v3(183.26,91.4) v3(184.26,91.4) v3(185.26,91.4) v3(186.26,91.4) v3(187.26,91.4) v3(188,6.8) v3(188,5.8) v3(188.26,91.4) v3(189,6.8) v3(189,5.8) v3(189.26,91.4) v3(197.22,17.5) v3(197.22,16.09) v3(197.63,45.25) v3(197.64,43.84) v3(198.61,17.49) v3(198.61,16.09) v3(199.03,45.24) v3(199.03,43.84) v3(201.91,78.2) v3(201.91,76.81) v3(203.3,76.8) v3(207,72.81) v3(207.01,71.41) v3(208.4,72.8) v3(208.4,71.4)
/ovladaci_prvky.sch/3V3: length 74.5
  Top w0.5: 25.25,90 R5.1
  Top w1: J4.1 3.52,41.1 2.15,42.47 2.15,87.3 4.85,90 25.25,90
/ovladaci_prvky.sch/GND: length 1592.1
  Top w0.4: C30.1 15.5,15.87 15.47,15.9
  Top w0.5: 21.03,72.93 22.77,72.93 23.3,72.4 v1(23.3,71) C46.2 ; C73.2 v1(76.4,57.1) 76.4,58.1 75.6,58.9 74.23,58.9 ; v1(16.98,50.1) 16.94,50.14 15.62,50.14 ; 84,70.98 C54.2 ; 84,70.98 83.98,71 ; 84,70.98 84,72.08 83.18,72.9 81.83,72.9 ; 74.23,24.02 76.28,24.02 77.2,23.1 v1(77.2,22) C123.2 ; C71.2 v1(61.2,57.1) 61.2,58.3 60.6,58.9 59.03,58.9 ; SW7.2 8.8,10.4 8.48,10.08 C126.1 ; v1(17.08,78.2) 17.04,78.16 15.72,78.16 ; C66.2 v1(23.2,57.1) 23.2,58.3 22.57,58.93 21.03,58.93 ; C101.2 v1(61.2,36.1) 61.2,37.5 60.69,38.01 59.03,38.01 ; 59.03,79.95 60.75,79.95 61.3,79.4 v1(61.3,78.2) C41.2 ; 66.63,58.9 68,58.9 68.8,58.1 v1(68.8,57.1) C72.2 ; SW8.2 16.18,4.9 15.68,4.4 C17.1 ; 43.83,65.9 45.2,65.9 45.9,65.2 v1(45.9,64.2) 45.92,64.18 C59.2 ; C119.2 v1(46.9,22) 46.9,23.3 46.14,24.06 43.83,24.06 ; 23,97.92 C8.2 ; 23,97.92 23,98.52 23.68,99.2 28.28,99.2 28.63,98.85 28.63,97.97 29.91,97.97 30.18,97.7 C9.2 ; 23,97.92 22.97,97.95 21.03,97.95 21.03,98.85 20.78,99.1 15.88,99.1 15.46,98.68 15.46,98.02 ; C32.2 v1(23.3,85.2) 23.3,86.4 22.7,87 21.03,87 ; C76.2 v1(23.2,50.1) 23.2,51.1 22.4,51.9 21.03,51.9 ; C6.2 v1(61.3,85.2) 61.3,86.6 60.9,87 59.03,87 ; C109.2 v1(46.1,29.3) 46.1,30.3 45.43,30.97 43.83,30.97 ; 13.43,79.98 14.8,79.98 15.72,79.06 15.72,78.16 ; 81.83,87.01 83.17,87.01 84,86.18 84,85.08 ; 84.38,29.3 v1(89.48,29.3) 89.48,36.1 ; 84.38,29.3 v1(83.68,29.3) ; 84.38,29.3 84.88,29.3 85,29.18 ; C88.2 v1(38.4,43) 38.4,44.2 37.7,44.9 36.23,44.9 ; C81.2 v1(61.2,50.1) 61.2,51 60.3,51.9 59.03,51.9 ; 15.6,64.22 C55.2 ; 15.6,64.22 16.96,64.22 v1(16.98,64.2) ; 15.6,64.22 15.6,65.38 15.07,65.91 13.43,65.91 ; C37.2 v1(31,78.2) 31,79.4 30.42,79.98 28.63,79.98 ; v1(15.51,15.9) 15.47,15.9 SW12.2 ; 37.9,98.02 37.9,98.52 38.58,99.2 43.88,99.2 ; 37.9,98.02 C10.2 ; 37.9,98.02 37.9,98.02 36.23,98.02 ; 36.23,30.96 37.94,30.96 38.4,30.5 v1(38.4,29.2) C108.2 ; C77.2 v1(30.8,50.1) 30.8,51.2 30.1,51.9 28.63,51.9 ; C122.2 69.77,21.97 v1(69.8,22) 69.8,23.4 69.18,24.02 66.63,24.02 ; C61.2 61.28,64.18 v1(61.3,64.2) 61.3,65.2 60.6,65.9 59.03,65.9 ; 21.03,37.97 22.23,37.97 23.2,37 v1(23.2,36.1) C96.2 ; 84,50.18 83.98,50.2 83.68,50.2 ; 84,50.18 C84.2 ; 84,50.18 84,51.08 83.18,51.9 81.83,51.9 ; 43.83,51.93 45.57,51.93 46.1,51.4 v1(46.1,50.1) C79.2 ; 83.82,64.34 C64.2 ; 83.82,64.34 83.68,64.2 83.18,64.2 ; 83.82,64.34 83.82,65.16 83.08,65.9 81.83,65.9 ; 83.18,64.2 89.48,64.2 ; 83.18,64.2 v1(82.58,64.2) ; 89.48,64.2 89.48,70.9 ; 89.48,64.2 89.48,57.1 ; 13.43,51.9 14.88,51.9 15.62,51.16 15.62,50.14 ; C107.2 30.72,29.18 v1(30.7,29.2) 30.7,30.4 30.13,30.97 28.63,30.97 ; C89.2 v1(46,43) 46,44.3 45.4,44.9 43.83,44.9 ; 66.63,87 68.1,87 68.8,86.3 v1(68.8,85.2) C15.2 ; 13.43,24.03 15.75,24.03 16.6,23.18 16.6,22.08 ; C53.2 76.45,70.95 v1(76.4,71) 76.4,72.3 75.8,72.9 74.23,72.9 ; C67.2 30.88,57.08 v1(30.9,57.1) 30.9,58.2 30.17,58.93 28.63,58.93 ; 15.46,98.02 15.36,97.92 13.4,97.92 ; 15.46,98.02 C7.2 ; C98.2 38.42,36.08 v1(38.4,36.1) 38.4,37.3 37.69,38.01 36.23,38.01 ; C86.2 23.32,42.98 v1(23.3,43) 23.3,44 22.38,44.92 21.03,44.92 ; 15.7,43.02 15.7,43.98 14.78,44.9 v1(10.88,44.9) ; 15.7,43.02 C85.2 ; 15.7,43.02 16.66,43.02 v1(16.68,43) ; C36.2 v1(23.3,78.2) 23.3,79.6 22.92,79.98 21.03,79.98 ; C80.2 v1(53.7,50.1) 53.7,51.3 53.1,51.9 51.43,51.9 ; C116.2 24.28,22.08 v1(24.3,22.1) 24.3,23.3 23.56,24.04 21.03,24.04 ; 59.03,24.04 61.36,24.04 62.2,23.2 v1(62.2,22) C121.2 ; C102.2 68.92,36.08 v1(68.9,36.1) 68.9,37.4 68.3,38 66.63,38 ; v1(14.48,85.2) 13.78,85.2 13.44,85.54 13.44,87.02 14.86,87.02 15.6,86.28 C31.2 ; 15.6,57.12 C65.2 ; 15.6,57.12 16.76,57.12 v1(16.78,57.1) ; 15.6,57.12 15.6,58.38 15.05,58.93 13.43,58.93 ; 83.08,57.1 83.78,57.1 83.88,57 ; 83.08,57.1 v1(82.58,57.1) ; 83.08,57.1 89.48,57.1 ; C118.2 v1(39.3,22) 39.3,23.3 38.54,24.06 36.23,24.06 ; C113.2 v1(77.2,29.3) 77.2,30.5 76.71,30.99 74.23,30.99 ; 83.48,43 89.48,43 ; 83.48,43 83.88,43 84,43.12 ; 83.48,43 v1(82.88,43) ; 89.48,43 89.48,36.1 ; 89.48,43 89.48,50.3 ; 43.83,38.01 45.49,38.01 46,37.5 v1(46,36.1) 46.02,36.08 C99.2 ; C2.2 v1(46.2,85.2) 46.2,86.5 45.7,87 43.83,87 ; 84,43.12 C94.2 ; 84,43.12 84,44.18 83.28,44.9 81.83,44.9 ; 74.23,51.9 75.9,51.9 76.4,51.4 v1(76.4,50.2) C83.2 ; C58.2 v1(38.4,64.2) 38.4,65.4 37.9,65.9 36.23,65.9 ; 15.72,71.04 C45.2 ; 15.72,71.04 15.72,72.06 14.84,72.94 13.43,72.94 ; 15.72,71.04 16.84,71.04 v1(16.88,71) ; C69.2 v1(46,57.1) 46,58.2 45.3,58.9 43.83,58.9 ; 81.83,37.98 83.3,37.98 83.9,37.38 83.9,35.98 ; 83.38,36.1 83.78,36.1 83.9,35.98 ; 83.38,36.1 v1(82.78,36.1) ; 83.38,36.1 89.48,36.1 ; 74.23,38 75.9,38 76.5,37.4 v1(76.5,36.1) C103.2 ; 84.98,21.9 84.88,22 v1(83.28,22) ; 84.98,21.9 84.98,23.1 84.06,24.02 81.83,24.02 ; 84.98,21.9 C124.2 ; 15.6,36.12 16.86,36.12 v1(16.88,36.1) ; 15.6,36.12 15.6,37.18 14.85,37.93 13.43,37.93 ; 15.6,36.12 C95.2 ; 16.6,22.08 17.56,22.08 v1(17.58,22.1) ; 16.6,22.08 C115.2 v1(15.52,19) ; v1(82.78,50.2) 83.68,50.2 ; 83.68,50.2 89.38,50.2 89.48,50.3 ; C38.2 v1(38.4,78.2) 38.4,79.5 37.92,79.98 36.23,79.98 ; 43.88,99.2 43.83,99.15 43.83,98 45.78,98 46.78,97 C125.2 ; 43.88,99.2 50.3,99.2 51.43,98.07 51.43,87 53.2,87 53.6,86.6 v1(53.6,85.2) C3.2 ; v1(82.78,85.2) 83.88,85.2 84,85.08 ; 59.03,44.9 60.6,44.9 61.3,44.2 v1(61.3,43) C91.2 ; 74.23,65.9 75.9,65.9 76.4,65.4 v1(76.4,64.2) 76.38,64.18 C63.2 ; v1(16.88,29.2) 16.86,29.18 15.6,29.18 ; C34.2 v1(38.5,85.2) 38.5,86.5 37.98,87.02 36.23,87.02 ; 51.43,65.9 53.1,65.9 53.6,65.4 v1(53.6,64.2) C60.2 ; C52.2 68.83,70.97 v1(68.8,71) 68.8,72.3 68.2,72.9 66.63,72.9 ; 51.49,72.95 53.05,72.95 53.6,72.4 v1(53.6,71) 53.58,70.98 C50.2 ; 28.63,87.02 30.38,87.02 30.9,86.5 v1(30.9,85.2) 30.94,85.16 C33.2 ; C82.2 v1(68.8,50.1) 68.8,51.2 68.1,51.9 66.63,51.9 ; 51.43,44.9 52.8,44.9 53.6,44.1 v1(53.6,43) C90.2 ; 83.9,35.98 C104.2 ; 66.63,79.94 68.16,79.94 68.8,79.3 v1(68.8,78.2) C42.2 ; 66.63,44.9 68.2,44.9 68.8,44.3 v1(68.8,43) C92.2 ; 36.23,51.9 37.8,51.9 38.6,51.1 v1(38.6,50.1) 38.63,50.07 C78.2 ; 83.98,71 89.38,71 89.48,70.9 ; 83.98,71 v1(82.98,71) ; 85,29.18 C114.2 ; 85,29.18 85,30.38 84.34,31.04 81.83,31.04 ; C48.2 38.35,70.95 v1(38.4,71) 38.4,72.5 37.97,72.93 36.23,72.93 ; C51.2 61.14,70.96 v1(61.1,71) 61.1,72.4 60.6,72.9 59.03,72.9 ; 15.6,29.18 15.6,30.18 14.88,30.9 13.43,30.9 ; 15.6,29.18 C105.2 ; C16.2 v1(76.4,85.2) 76.4,86.3 75.69,87.01 74.23,87.01 ; C56.2 v1(23.3,64.2) 23.3,65.3 22.69,65.91 21.03,65.91 ; 51.43,58.9 53,58.9 53.7,58.2 v1(53.7,57.1) C70.2 ; 89.48,50.3 89.48,57.1 ; 89.48,70.9 89.48,78.2 ; 89.48,78.2 89.48,83.54 87.94,85.08 84,85.08 ; 89.48,78.2 83.28,78.2 ; 83.88,57 C74.2 ; 83.88,57 83.88,58.2 83.18,58.9 81.83,58.9 ; 15.62,50.14 C75.2 ; C39.2 45.98,78.18 v1(46,78.2) 46,79.3 45.3,80 43.83,80 ; 84,85.08 C21.2 ; C40.2 v1(53.7,78.2) 53.7,79.5 53.24,79.96 51.43,79.96 ; 43.83,72.93 45.17,72.93 45.9,72.2 v1(45.9,71) 45.95,70.95 C49.2 ; C43.2 v1(76.5,78.2) 76.5,79.4 75.9,80 74.23,80 ; C117.2 v1(31.7,22) 31.7,23.4 31.04,24.06 28.63,24.06 ; 15.72,78.16 C35.2 ; C112.2 69.68,29.28 v1(69.7,29.3) 69.7,30.3 69.01,30.99 66.63,30.99 ; 66.63,65.9 68.3,65.9 68.8,65.4 v1(68.8,64.2) C62.2 ; C100.2 v1(53.6,36.1) 53.6,37.4 52.98,38.02 51.43,38.02 ; C111.2 v1(61.2,29.3) 61.2,30.5 60.73,30.97 59.03,30.97 ; C57.2 30.88,64.18 v1(30.9,64.2) 30.9,65.2 30.2,65.9 28.63,65.9 ; 83.28,78.2 83.88,78.2 83.9,78.22 ; 83.28,78.2 v1(82.78,78.2) ; 83.9,78.22 C44.2 ; 83.9,78.22 83.9,79.28 83.18,80 81.83,80 ; C68.2 v1(38.4,57.1) 38.4,58.3 37.74,58.96 36.23,58.96 ; 28.63,38.01 29.99,38.01 30.9,37.1 v1(30.9,36.1) 30.88,36.08 C97.2 ; C87.2 v1(30.9,43) 30.9,44.2 30.2,44.9 28.65,44.9 ; C47.2 30.81,70.99 v1(30.8,71) 30.8,72.2 30.08,72.92 28.63,72.92 ; C106.2 23.22,29.18 v1(23.2,29.2) 23.2,30 22.3,30.9 21.03,30.9 ; 74.23,44.9 75.9,44.9 76.4,44.4 v1(76.4,43) C93.2 ; C110.2 53.58,29.28 v1(53.6,29.3) 53.6,30.2 52.82,30.98 51.43,30.98 ; C120.2 54.4,21.92 v1(54.36,21.96) 54.36,23.44 53.74,24.06 51.43,24.06
  Bottom w0.5: v1(16.98,64.2) v1(23.3,64.2) v1(30.9,64.2) v1(38.4,64.2) v1(45.9,64.2) v1(53.6,64.2) v1(61.3,64.2) v1(68.8,64.2) v1(76.4,64.2) v1(82.58,64.2) ; v1(16.88,36.1) v1(23.2,36.1) v1(30.9,36.1) v1(38.4,36.1) v1(46,36.1) v1(53.6,36.1) v1(61.2,36.1) v1(68.9,36.1) v1(76.5,36.1) v1(82.78,36.1) ; v1(83.28,22) v1(77.2,22) v1(69.8,22) v1(62.2,22) 60.94,22 60.9,21.96 v1(54.36,21.96) 47.98,21.96 47.94,22 v1(46.9,22) v1(39.3,22) v1(31.7,22) 25.48,22 25.38,22.1 v1(24.3,22.1) v1(17.58,22.1) ; v1(16.78,57.1) v1(23.2,57.1) v1(30.9,57.1) v1(38.4,57.1) v1(46,57.1) v1(53.7,57.1) v1(61.2,57.1) v1(68.8,57.1) v1(76.4,57.1) v1(82.58,57.1) ; v1(82.78,50.2) v1(76.4,50.2) 70.18,50.2 70.08,50.1 v1(68.8,50.1) v1(61.2,50.1) v1(53.7,50.1) v1(46.1,50.1) v1(38.6,50.1) v1(30.8,50.1) v1(23.2,50.1) v1(16.98,50.1) ; v1(15.52,19) 15.52,15.91 v1(15.51,15.9) ; v1(82.88,43) v1(76.4,43) v1(68.8,43) v1(61.3,43) v1(53.6,43) v1(46,43) v1(38.4,43) v1(30.9,43) v1(23.3,43) v1(16.68,43) ; v1(16.88,29.2) v1(23.2,29.2) v1(30.7,29.2) v1(38.4,29.2) 39.78,29.2 39.88,29.3 v1(46.1,29.3) v1(53.6,29.3) v1(61.2,29.3) v1(69.7,29.3) v1(77.2,29.3) v1(83.68,29.3) ; v1(82.78,78.2) v1(76.5,78.2) v1(68.8,78.2) v1(61.3,78.2) v1(53.7,78.2) v1(46,78.2) v1(38.4,78.2) v1(31,78.2) v1(23.3,78.2) v1(17.08,78.2) ; v1(82.78,85.2) v1(76.4,85.2) v1(68.8,85.2) v1(61.3,85.2) v1(53.6,85.2) v1(46.2,85.2) v1(38.5,85.2) v1(30.9,85.2) v1(23.3,85.2) v1(14.48,85.2) ; v1(10.88,44.9) 7.8,44.9 6.5,46.2 5,46.2 ; v1(82.98,71) v1(76.4,71) v1(68.8,71) v1(61.1,71) v1(53.6,71) v1(45.9,71) v1(38.4,71) v1(30.8,71) v1(23.3,71) v1(16.88,71)
  vias: v3(12.48,8.6) v3(19.98,14.1) v3(19.98,8.6) v3(19.98,3.1) v3(27.48,8.6) v3(83.76,8.51) v3(85.95,11.84)
